# Altium PCB powerboard1.PcbDoc (continued)
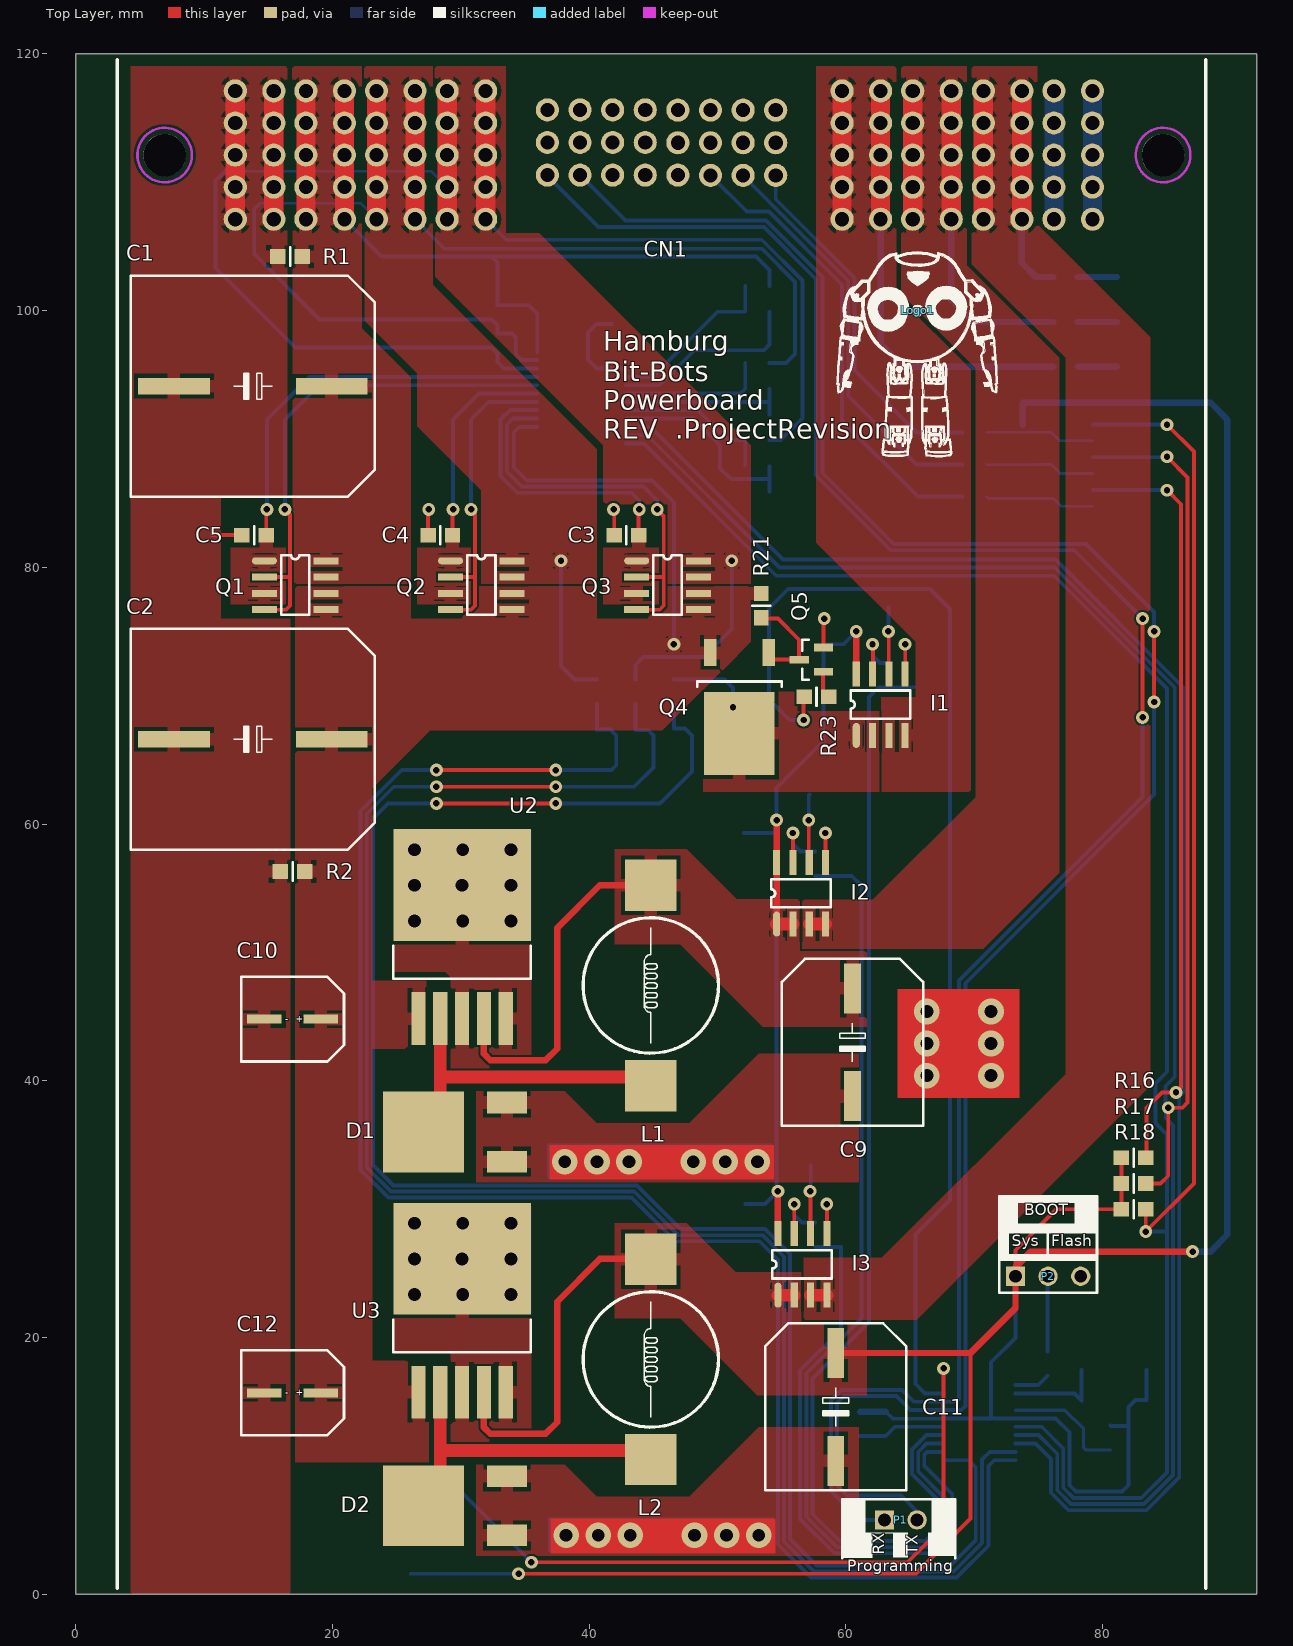
[diagram p0: Top Layer view]
## Footprints (in the part's own frame and the unit in brackets; to place one, negate y for a bottom-side part, rotate by r counter-clockwise, add the part's x,y. Pads: shape width x height; smd on the part's side, far side on the other; paste and mask are expansions set on the pad) (continued)
PISR [mm]
  rect 4x4 smd: 1(-7.8,0) 2(7.8,0)
  silkscreen extent -5.27,-5.28 5.27,5.27
R2012 [mm]
  rect 1.2x1.14 smd: 1(-0.95,0) 2(0.95,0)
  silkscreen extent 0,-0.7 0,0.7, body extent -1,-0.62 1,0.63, height 0.78
SOIC8 [mm]
  oval 1.95x0.55 smd: 1(0,0)
  rect 1.95x0.55 smd: 2(0,-1.27) 3(0,-2.54) 4(0,-3.81) 5(4.8,-3.81) 6(4.8,-2.54) 7(4.8,-1.27) 8(4.8,0)
  silkscreen extent 1.3,-4.2 3.5,0.44, body extent -0.6,-4.35 5.4,0.55, height 1.75
SOIC14 [mm] "SOIC, 14-Leads, Body 8,65x3,90mm, Pitch 1,27mm, IPC Medium Density"
  oval 1.45x0.6 smd: 1(-2.725,3.81)
  rect 1.45x0.6 smd: 2(-2.725,2.54) 3(-2.725,1.27) 4(-2.725,0) 5(-2.725,-1.27) 6(-2.725,-2.54) 7(-2.725,-3.81) 8(2.725,-3.81) 9(2.725,-2.54) 10(2.725,-1.27) 11(2.725,0) 12(2.725,1.27) 13(2.725,2.54) 14(2.725,3.81)
  silkscreen extent -1.6,-4.4 1.6,4.4, body extent -2.9,-4.37 3.1,4.38, height 1.75
SOT-23-TT3_N [mm] "SOT23, 3-Leads, Body 2.9x1.3mm, Pitch 0.95mm, Lead Span 2.4mm, IPC Medium Density"
  rect 1.5x0.6 smd: 1(-0.95,0.95) 2(-0.95,-0.95) 3(0.95,0)
  silkscreen extent 0.2,-1.55 0.7,1.55, body extent -1.21,-1.45 1.21,1.45, height 0.98
SSOP24 [mm]
  oval 2.1x0.45 smd: 1(-3.45,3.575) 2(-3.45,2.925) 3(-3.45,2.275) 4(-3.45,1.625) 5(-3.45,0.975) 6(-3.45,0.325) 7(-3.45,-0.325) 8(-3.45,-0.975) 9(-3.45,-1.625) 10(-3.45,-2.275) 11(-3.45,-2.925) 12(-3.45,-3.575) 13(3.45,-3.575) 14(3.45,-2.925) 15(3.45,-2.275) 16(3.45,-1.625) 17(3.45,-0.975) 18(3.45,-0.325) 19(3.45,0.325) 20(3.45,0.975) 21(3.45,1.625) 22(3.45,2.275) 23(3.45,2.925) 24(3.45,3.575)
  silkscreen extent -2,-4.15 2,4.15, body extent -3.57,-4.12 3.97,4.12, height 1.85
STM-TSSOP20_L [mm] "SOP, 20-Leads, Body 6.6x4.5mm, Pitch 0.65mm, IPC High Density"
  oval 1.5x0.35 smd: 1(-2.8,2.925) 2(-2.8,2.275) 3(-2.8,1.625) 4(-2.8,0.975) 5(-2.8,0.325) 6(-2.8,-0.325) 7(-2.8,-0.975) 8(-2.8,-1.625) 9(-2.8,-2.275) 10(-2.8,-2.925) 11(2.8,-2.925) 12(2.8,-2.275) 13(2.8,-1.625) 14(2.8,-0.975) 15(2.8,-0.325) 16(2.8,0.325) 17(2.8,0.975) 18(2.8,1.625) 19(2.8,2.275) 20(2.8,2.925)
  silkscreen extent -2.93,-3.3 1.65,3.77, body extent -2.25,-3.3 2.25,3.3, height 1.2
TO263-5 [mm] "D2-PAK, 6-Leads, Body 9x10.2mm, Pitch 1.7mm, Lead Span 15.2mm, IPC Low Density"
  rect 4.1x1.1 smd: 1(-6.35,3.4) 2(-6.35,1.7) 3(-6.35,0) 4(-6.35,-1.7) 5(-6.35,-3.4)
  rect 8.7x10.7 smd: 6(4.05,0)
  silkscreen extent -3.25,-5.35 -0.7,5.35, body extent -7.89,-5 7.78,5, height 4.78
TO-252_N [mm] "D-PAK, 4-Leads, Body 6.1x6.5mm, Pitch 2.28mm, Lead Span 9.7mm, IPC Medium Density"
  rect 2.1x0.95 smd: 1(-4.25,2.28) 3(-4.25,-2.28)
  rect 6.5x5.5 smd: 4(2.05,0)
  silkscreen extent -2,-3.3 -1.6,3.3, body extent -5.01,-3.27 4.93,3.27, height 2.34

## Part data
C1 C2 C9 C10 C11 C12: library part "Cap Pol2", "Polarized Capacitor (Axial)"
C3 C4 C5 C6 C7 C8 C13 C14 C15 C16 C17 C18 C19 C20 C21 C23 C24: library part Cap, "Capacitor"
C22: library part "Cap Pol1", "Polarized Capacitor (Radial)"
CN1: library part ET60T-04-24-04-L-RT1-GP, "Samtec Connector"
D1 D2: library part "Diode 10TQ035", "Schottky Rectifier"
D3 D4 D5 D6: library part LED0, "Green"
I1 I2 I3: "Fully Integrated, Hall Effect-Based Linear Current Sensor IC with 2.1 kVRMS Isolation and a Low-Resistance Current Conductor"
IC1: library part CMP-0304-00039-2, "ARM Cortex-M0 32-bit MCU, 16 KB Flash, 4 KB Internal RAM, 15 I/Os, 20-pin TSSOP, -40 to 85 degC, Tube"
L1 L2: library part Inductor, "Inductor"
Logo1: library part Logo
P1: library part "Header 2", "Header, 2-Pin"
P2: library part "Header 3", "Header, 3-Pin"
Q1 Q2 Q3: library part "Dual P-MOSFET", "Dual-Channel P-Mosfet with default Pins"
Q4: library part MOSFET-P, "P-Channel MOSFET"
Q5: library part NPN, "NPN Bipolar Transistor"
R1 R2 R3 R4 R5 R6 R7 R8 R9 R10 R11 R12 R13 R14 R15 R16 R17 R18 R19 R20 R21 R22 R23 R24 R25 R26 R27 R28 R29 R30 R31 R32 R33 R34 R35 R36 R37 R38: library part Res2, "Resistor"
U1: library part CMP-0479-00126-1, "Prioritized PowerPath Controller, 2.5 to 36 V Vin, 24-pin SOP (GN-24), 0 to 70 degC, Pb-Free"
U2: library part CMP-0069-00114-2, "SIMPLE SWITCHER® 3A Step-Down Voltage Regulator, 5-pin TO-263, Pb-Free"
U3: library part CMP-0069-00113-2, "SIMPLE SWITCHER® 3A Step-Down Voltage Regulator, 5-pin TO-263"
U4: "Hex Inverter"
Y1: library part Oszillator, "Oscillator with Enable Input"

## Via types
v1: diameter 1, hole 0.5, Top Layer to Bottom Layer, 46 vias
v2: diameter 2, hole 1, Top Layer to Bottom Layer, 36 vias

## Nets (pads, with @x,y where several pads share a name; then routed paths per layer and width w, separated by ;. In a path a pad name is that pad's centre, name@x,y a point inside that pad or via, vN(x,y) a via of type N, cw(c..) or ccw(c..) an arc to the next point about the centre after c; other vN are vias at no path point)
+3V3: C11.1 C20.1 C22.1 C23.2 C24.2 D6.1 I3.1 I3.2 IC1.5 IC1.16 L2.2 P2.1 R16.1 R17.1 R18.1 R33.1 U3.4 U4.14 Y1.4 | length 269
  Top Layer w0.3: v1(34.5,1.6) 65.4,1.6 69.7,5.9 69.7,18.8 ; P2.1@73.2,25.5 73.2,26.8 76.4,30 R18.1 R16.1
  Top Layer w0.5: U3.4 31.8,13 32.3,12.5 36.6,12.5 37.5,13.4 37.5,22.8 40.825,26.125 L2.2@44.8,26.125 ; C11.1 69.7,18.8 73.2,22.3 P2.1 73.2,25.5 74.4,26.7 v1(87,26.7)
  Top Layer w1: I3.1 I3.2
  Bottom Layer w0.3: D6.1 v1(34.5,1.6) ; C23.2 63.65,13.675 67.575,13.675 IC1.16 71.3,13.7 ; P2.1 73.2,19.975 71.3,18.075 71.3,13.7 ; R33.1 80.65,13.1 82,13.1 ; Y1.4 C20.1 82.55,15.15 82,14.6 82,13.1 ; 71.3,13.7 IC1.5 76.325,13.7 77.4,12.625 77.4,8.5 77.9,8 81.5,8 82,8.5 82,13.1
  Bottom Layer w0.5: C22.1 C23.2 ; C24.2 C24.2@73.775,92.8 ; U4.14 C24.2@73.775,92.8 ; v1@87.1,26.8 v1(87,26.7) 88.4,26.7 89.7,28 89.7,91.5 88.4,92.8 C24.2@73.775,92.8
+3V3_OUT: CN1.P02 I3.3 I3.4 R30.2 | length 27
  Top Layer w1: I3.3 I3.4
  Top Layer w1.5: CN1.P02@70.695,107.1 70.695,109.6 70.695,112.1 70.695,114.6 CN1.P02@70.695,116.795 ; CN1.P02@73.695,107.405 73.695,109.6 73.695,112.1 73.695,114.6 CN1.P02@73.695,117.1
  Bottom Layer w0.5: CN1.P02@73.695,107.1 73.695,103.705 74.8,102.6 R30.2
+5V: C9.1 C14.2 C16.2 C18.2 I1.8 I2.1 I2.2 I2.8 I3.8 L1.2 U2.4 | length 96.8
  Top Layer w0.5: U2.4 31.8,42.1 32.3,41.6 36.6,41.6 37.5,42.5 37.5,51.9 40.825,55.225 L1.2 ; I2.1 I2.8 v1(54.6,60.3) ; I3.8 v1(54.7,31.4) ; I1.8 v1(60.8,75)
  Top Layer w1: I2.1 I2.2
  Bottom Layer w0.3: C16.2 54.6,59.3 ; C18.2 53.7,30.4 v1@54.6,31.3 ; v1(54.6,60.3) 54.6,59.3 ; v1(54.7,31.4) v1@54.6,31.3 ; v1(60.8,75) 59.8,74 C14.2 58.25,66.45 54.6,62.8 54.6,59.3 ; v1@54.6,31.3 54.6,59.3
+5V_OUT: CN1.P03 I2.3 I2.4 R27.2 | length 35.6
  Top Layer w1: I2.3 I2.4
  Top Layer w1.5: CN1.P03@65.195,107.405 65.195,109.6 65.195,112.1 65.195,114.6 CN1.P03@65.195,117.1 ; CN1.P03@68.195,107.1 68.195,109.6 68.195,112.1 68.195,114.6 CN1.P03@68.195,116.795
  Bottom Layer w0.5: CN1.P03@68.195,107.1 68.195,100.805 69.9,99.1 R27.2
+12V: I1.1 I1.2 Q4.4 R20.2 | length 6.4
  Bottom Layer w0.3: R20.2 50.55,71.25 51.2,70.6 v1(51.2,69.1)
+12V_OUT: CN1.P04 I1.3 I1.4 R24.2 | length 43.6
  Top Layer w1.5: CN1.P04@59.695,107.405 59.695,109.6 59.695,112.1 59.695,114.6 CN1.P04@59.695,117.1 ; CN1.P04@62.695,107.1 62.695,109.6 62.695,112.1 62.695,114.6 CN1.P04@62.695,117.1
  Bottom Layer w0.5: CN1.P04@62.695,107.1 62.695,97.405 64.5,95.6 R24.2
+12V_SENSE: IC1.11 R20.1 R22.2 | length 141.8
  Top Layer w0.3: v1(28.1,61.6) v1(37.4,61.6)
  Bottom Layer w0.3: v1(28.1,61.6) 24.325,61.6 23.15,60.425 23.15,33.45 24.75,31.85 43.721,31.85 47.121,28.45 53.7,28.45 55.65,26.5 55.65,4.3 57.7,2.25 68.15,2.25 70.1,4.2 70.1,9.9 69.55,10.45 IC1.11 ; v1(37.4,61.6) 45.5,61.6 48,64.1 48,66.9 47.45,67.45 46.6,67.45 R20.1
\EN_12: IC1.19 R23.2 | length 91.5
  Top Layer w0.3: v1(56.7,68.1) R23.2@56.7,69.85
  Bottom Layer w0.3: v1(56.7,68.1) 55.6,68.1 54,69.7 54,76.8 55.5,78.3 66.533,78.3 68.1,76.733 68.1,30.725 65.4,28.025 65.4,16.4 66.15,15.65 IC1.19
\RST: C21.2 IC1.4 R33.2 | length 9.5
  Bottom Layer w0.254: IC1.4 77.05,14.35 78.5,12.9 C21.2 78.675,11.25 R33.2
\VALID1: IC1.8 R16.2 U1.10 U4.5 | length 191.6
  Top Layer w0.3: R16.2 83.4,34.05 83.4,37.9 84.6,39.1 v1(85.7,39.1) 86.1,39.5 86.1,84.9 v1(85,86)
  Bottom Layer w0.3: U1.10 44.771,90.925 55.096,80.6 76.303,80.6 86.27,70.633 86.27,39.1 ; IC1.8 74.754,11.75 75.975,10.529 75.975,7.91 77.335,6.55 83.394,6.55 85.95,9.106 85.95,38.78 86.27,39.1 ; U4.5 79.255,86 v1(85,86) ; v1(85.7,39.1) 86.27,39.1
\VALID2: IC1.7 R17.2 U1.11 U4.3 | length 195.8
  Top Layer w0.3: R17.2 84.5,32 85.1,32.6 v1(85.1,37.9) 86.2,37.9 86.6,38.3 86.6,87 v1(85,88.6)
  Bottom Layer w0.3: U1.11 44.523,90.275 54.833,79.965 76.26,79.965 85.6,70.625 85.6,40.3 84.875,39.575 84.875,38.125 v1(85.1,37.9) 84.9,37.7 84.9,37.1 85.475,36.525 85.475,9.303 83.197,7.025 77.531,7.025 76.45,8.106 76.45,10.952 75.002,12.4 IC1.7 ; U4.3 84.97,88.57 v1(85,88.6)
\VALID3: IC1.6 R18.2 U1.12 U4.1 | length 203
  Top Layer w0.3: R18.2 v1(83.35,28.25) 87.1,32 87.1,89 v1(85,91.1)
  Bottom Layer w0.3: U1.12 44.275,89.625 54.57,79.33 76.223,79.33 85,70.553 85,40.7 84.1,39.8 84.1,36.7 85,35.8 85,28.3 ; IC1.6 75.25,13.05 76.925,11.375 76.925,8.303 77.728,7.5 83,7.5 85,9.5 85,28.3 ; U4.1 84.99,91.11 v1(85,91.1) ; v1(83.35,28.25) 84.95,28.25 85,28.3
BOOT0: IC1.1 R34.1 | length 2.8
  Bottom Layer w0.3: IC1.1 74.975,16.3 R34.1
GND: C1.2 C2.2 C3.1 C4.1 C5.1 C6.1 C7.1 C8.1 C9.2 C10.2 C11.2 C12.2 C13.1 C14.1 C15.1 C16.1 C17.1 C18.1 C19.1 C20.2 C21.1 C22.2 C23.1 C24.1 CN1.P01 CN1.P08 D1.1 D1.3 D2.1 D2.3 D3.2 D4.2 D5.2 I1.5 I2.5 I3.5 IC1.15 P2.3 Q5.2 R1.1 R2.1 R4.1 R6.1 R9.1 R12.1 R15.1 R19.2 R22.1 R26.2 R29.2 R32.2 U1.13 U2.3 U2.5 U2.6 U3.3 U3.5 U3.6 U4.7 U4.9 U4.11 U4.13 Y1.2 | length 119.9
  Top Layer w0.3: 10.6,82.5 C5.1 ; C4.1 27.45,84.45 v1(27.5,84.5) ; v1(41.9,84.5) 41.95,84.45 C3.1 ; Q5.2 58.25,75.95 v1(58.3,76) ; v1(58.4,59.3) 58.41,59.29 I2.5 ; v1(58.5,30.4) 58.51,30.39 I3.5 ; v1(64.6,74) 64.61,73.99 I1.5
  Top Layer w1: v2(66.3,42.9) v2(71.3,42.9) ; v2(66.3,42.9) v2(66.3,45.4) v2(71.3,45.4) v2(71.3,42.9) ; v2(66.3,42.9) v2(66.3,40.4) v2(71.3,40.4) v2(71.3,42.9)
  Top Layer w1.5: CN1.P08@12.435,107.1 12.435,109.6 12.435,112.1 12.435,114.6 CN1.P08@12.435,117.1 ; CN1.P08@15.435,107.1 15.435,109.6 15.435,112.1 15.435,114.6 CN1.P08@15.435,117.1 ; v2(38.1,33.7) v2(40.6,33.7) v2(43.1,33.7) ; v2(38.2,4.6) v2(40.7,4.6) v2(43.2,4.6) ; v2(48.1,33.7) v2(50.6,33.7) v2(53.1,33.7) ; v2(48.2,4.6) v2(50.7,4.6) v2(53.2,4.6)
  Bottom Layer w0.3: C22.2 C23.1 63.825,13.05 IC1.15
  Bottom Layer w1.5: CN1.P08@12.435,107.1 CN1.P08@12.435,109.6 ; CN1.P08@12.435,112.1 12.435,114.6 CN1.P08@12.435,117.1 ; CN1.P08@15.435,112.1 15.435,114.6 CN1.P08@15.435,117.1 ; CN1.P01@76.195,107.1 76.195,109.6 76.195,112.1 76.195,114.6 CN1.P01@76.195,117.1 ; CN1.P01@79.195,107.1 79.195,109.6 79.195,112.1 79.195,114.6 CN1.P01@79.195,117.1
  other v2: 26.4,23.35 30.15,23.35 33.9,23.35 26.4,26.125 30.1,26.125 33.9,26.125 26.4,28.9 30.15,28.9 33.9,28.9 26.4,52.45 30.15,52.45 33.9,52.45 26.4,55.225 30.1,55.225 33.9,55.225 26.4,58 30.15,58 33.9,58
I2C.SCL: CN1.S23 IC1.17 P1.2 | length 160.6
  Top Layer w0.3: v1(84,69.5) v1(84,75)
  Bottom Layer w0.3: CN1.S23 42.825,107 53.772,107 58.178,102.594 58.178,87.322 63.7,81.8 78.7,81.8 84,76.5 v1(84,75) ; P1.2 65.54,6.46 64.3,7.7 60.1,7.7 59.3,8.5 59.3,14.9 59.85,15.45 63.931,15.45 65.031,14.35 IC1.17 68.977,14.35 69.3,14.673 69.3,47.6 84,62.3 v1(84,69.5)
I2C.SDA: CN1.S24 IC1.18 P1.1 | length 159.3
  Top Layer w0.3: v1(83.1,68.3) v1(83.1,76)
  Bottom Layer w0.3: CN1.S24 36.745,110.478 40.723,106.5 53.6,106.5 57.642,102.458 57.642,87.186 63.503,81.325 77.775,81.325 v1(83.1,76) ; P1.1 61.081,5.8 58.825,8.056 58.825,15.097 59.653,15.925 64.375,15.925 65.3,15 IC1.18 68.6,15 68.8,15.2 68.8,47.8 83.1,62.1 v1(83.1,68.3)
I_+3V3: IC1.12 R31.2 R32.1 | length 46.6
  Bottom Layer w0.3: R31.2 R32.1 59.6,20.6 56.425,17.425 56.425,5.867 59.092,3.2 66.573,3.2 68.275,4.902 68.275,7.825 66.1,10 66.1,10.9 66.3,11.1 IC1.12
I_+5V: IC1.13 R28.2 R29.1 | length 76.5
  Bottom Layer w0.3: R28.2 60.45,55.95 61.2,55.2 61.2,21.5 56.925,17.225 56.925,6.089 56.9,6.064 59.289,3.675 66.376,3.675 67.8,5.099 67.8,7.4 65.625,9.575 65.625,11.097 66.278,11.75 IC1.13
I_+12V: IC1.14 R25.2 R26.1 | length 90.4
  Bottom Layer w0.3: R26.1 62.55,70.65 61.8,69.9 61.8,21.2 57.4,16.8 57.4,6.235 59.485,4.15 66.179,4.15 67.325,5.296 67.325,7.203 65.15,9.378 65.15,11.294 66.257,12.4 IC1.14
LED_OUT1: CN1.S19 R36.2 | length 36.2
  Bottom Layer w0.3: CN1.S19 52.265,107.7 54,107.7 59.7,102 59.7,91.4 65.6,85.5 R36.2
LED_OUT2: CN1.S18 R37.2 | length 31.7
  Bottom Layer w0.3: CN1.S18 51.985,110.487 60.175,102.297 60.175,93.325 65.5,88 R37.2
LED_OUT3: CN1.S17 R38.2 | length 28.1
  Bottom Layer w0.3: CN1.S17 54.525,108.654 60.65,102.529 60.65,95.35 65.5,90.5 R38.2
NetC3_2: C3.2 Q3.1 Q3.3 U1.17 | length 21.8
  Top Layer w0.3: C3.2 43.85,84.45 v1(43.9,84.5)
  Bottom Layer w0.3: U1.17@35.928,92.248 33.848,92.248 33.1,91.5 33.1,87.1 34.4,85.8 43.3,85.8 43.9,85.2 v1(43.9,84.5)
NetC4_2: C4.2 Q2.1 Q2.3 U1.19 | length 16.4
  Top Layer w0.3: C4.2 29.35,84.45 v1(29.4,84.5)
  Bottom Layer w0.3: v1(29.4,84.5) 29.4,91.5 31.425,93.525 U1.19
NetC5_2: C5.2 Q1.1 Q1.3 U1.21 | length 31.3
  Top Layer w0.3: C5.2 14.85,84.45 v1(14.9,84.5)
  Bottom Layer w0.3: v1@14.9,84.6 14.9,91.5 18.225,94.825 U1.21
NetC13_2: C13.2 I1.6 | length 5.2
  Top Layer w0.3: v1(63.3,75) 63.333,74.967 63.333,71.707 I1.6
  Bottom Layer w0.3: v1(63.3,75) C13.2@63.3,76.85
NetC15_2: C15.2 I2.6 | length 5.3
  Top Layer w0.3: v1(57.1,60.3) 57.1,57.04 I2.6
  Bottom Layer w0.3: v1(57.1,60.3) 57.1,62.25 C15.2
NetC17_2: C17.2 I3.6 | length 5.3
  Top Layer w0.3: v1(57.2,31.4) 57.24,31.36 I3.6
  Bottom Layer w0.3: v1(57.2,31.4) 57.25,31.45 C17.2
NetC19_2: C19.2 IC1.2 Y1.3 | length 7.8
  Bottom Layer w0.3: IC1.2 77.8,15.65 C19.2 78.35,17.47 Y1.3
NetD1_2: D1.2 L1.1 U2.2 | length 27.1
  Top Layer w0.3: D1.2@28.4,33.8 D1.2@28.7,33.5 ; 28.4,40.5 28.6,40.3
  Top Layer w1: D1.2@28.4,33.8 28.4,40.5 U2.2 ; 28.6,40.3 L1.1@43.9,40.3
NetD2_2: D2.2 L2.1 U3.2 | length 26.5
  Top Layer w1: D2.2@28.4,4.7 28.4,11.2 ; U3.2 28.4,11.2 ; L2.1@43.9,11.2 28.4,11.2
NetD3_1: D3.1 R24.1 | length 3.1
  Bottom Layer w0.5: R24.1 D3.1
NetD4_1: D4.1 R27.1 | length 3.1
  Bottom Layer w0.5: R27.1 D4.1
NetD5_1: D5.1 R30.1 | length 3.1
  Bottom Layer w0.5: R30.1 D5.1
NetD6_2: D6.2 R35.1 | length 2.4
  Bottom Layer w0.3: D6.2 R35.1
NetI1_7: I1.7 R25.1 | length 4.7
  Top Layer w0.3: I1.7@62.1,71.73 v1@62.1,74
  Bottom Layer w0.3: v1@62.1,74 62.1,73.1 62.65,72.55 R25.1
  other v1: 62.067,74
NetI2_7: I2.7 R28.1 | length 5.1
  Top Layer w0.3: v1(55.867,59.3) 55.87,59.297 I2.7
  Bottom Layer w0.3: v1(55.867,59.3) 55.867,58.433 56.45,57.85 R28.1
NetI3_7: I3.7 R31.1 | length 5
  Top Layer w0.3: v1(55.967,30.4) 55.97,30.397 I3.7
  Bottom Layer w0.3: v1(55.967,30.4) 55.967,29.533 56.55,28.95 R31.1
NetP2_2: P2.2 R34.2 | length 5.8
  Bottom Layer w0.3: R34.2 P2.2@75.7,24.735
NetQ1_2: Q1.2 Q1.4 U1.20 | length 39.5
  Top Layer w0.3: Q1.4 16.39,76.69 16.7,77 16.7,84.1 v1(16.3,84.5) ; Q1.2 16.67,79.23
  Bottom Layer w0.3: v1(16.3,84.5) 16.3,91.5 18.975,94.175 U1.20
NetQ2_2: Q2.2 Q2.4 U1.18 | length 24.2
  Top Layer w0.3: Q2.4 30.79,76.69 31.1,77 31.1,84.2 v1(30.8,84.5) ; Q2.2 31.07,79.23
  Bottom Layer w0.3: v1(30.8,84.5) 30.8,91.5 32.183,92.883 32.19,92.875 U1.18
NetQ3_2: Q3.2 Q3.4 U1.16 | length 31.6
  Top Layer w0.3: Q3.4 45.49,76.69 45.8,77 45.8,84 v1(45.3,84.5) ; Q3.2 45.77,79.23
  Bottom Layer w0.3: U1.16 34.075,91.575 33.575,91.075 33.575,87.45 34.75,86.275 44.225,86.275 45.3,85.2 v1(45.3,84.5)
NetQ4_1: Q4.1 Q5.3 R21.1 | length 8.1
  Top Layer w0.3: R21.1@53.45,76.2 53.65,76 54.7,76 56.35,74.35 Q5.3 54.1,72.8 53.98,72.92 Q4.1
NetQ5_1: Q5.1 R23.1 | length 2.2
  Top Layer w0.3: R23.1@58.2,69.65 Q5.1@58.2,71.8
NetR7_1: R7.1 R8.1 U1.4 | length 13.4
  Bottom Layer w0.3: U1.4 44.925,94.825 50,99.9 R8.1 R7.1
NetR8_2: R8.2 R9.2 U1.5 | length 15.1
  Bottom Layer w0.3: U1.5 45.475,94.175 48.2,96.9 53.6,96.9 54.05,97.35 R9.2 R8.2
NetR10_1: R10.1 R11.1 U1.6 | length 11.5
  Bottom Layer w0.3: U1.6 51.775,93.525 R11.1 R10.1
NetR11_2: R11.2 R12.2 U1.7 | length 13.2
  Bottom Layer w0.3: U1.7 54.043,92.875 54.05,92.883 ; R12.2 54.05,92.883 ; R11.2 54.05,92.883
NetR13_1: R13.1 R14.1 U1.8 | length 12.3
  Bottom Layer w0.3: U1.8 48.475,92.225 50.8,89.9 R13.1 R14.1
NetR14_2: R14.2 R15.2 U1.9 | length 16.2
  Bottom Layer w0.3: U1.9 48.125,91.575 50.2,89.5 50.2,87.7 51.035,86.865 54.05,86.865 ; R15.2 54.05,86.865 ; R14.2@54.05,87.865 54.05,86.865
NetR19_1: R19.1 U1.3 | length 7.5
  Bottom Layer w0.3: R19.1 40.55,98.95 39.9,98.3 39.9,96.175 40.6,95.475 U1.3
NetR36_1: R36.1 U4.6 | length 8.6
  Bottom Layer w0.2: R36.1 71.1,85.35 76.15,85.35 76.74,84.76 U4.6
NetR37_1: R37.1 U4.4 | length 8.6
  Bottom Layer w0.2: R37.1 70.955,87.995 74.614,87.995 74.619,88 76,88 76.7,87.3 U4.4
NetR38_1: R38.1 U4.2 | length 8.5
  Bottom Layer w0.2: R38.1 76,90.5 76.66,89.84 U4.2
STATUS: IC1.20 R35.2 | length 58.9
  Top Layer w0.3: v1(35.5,2.5) 64.8,2.5 67.6,5.3 v1(67.6,17.6)
  Bottom Layer w0.3: R35.2 29.15,8.85 v1(35.5,2.5) ; IC1.20 v1(67.6,17.6)
V_BAK: C8.2 CN1.P05 Q3.7 Q3.8 R5.2 R13.2 U1.22 | length 129.8
  Top Layer w1.5: CN1.P05@28.935,107.405 28.935,109.6 28.935,112.1 28.935,114.6 CN1.P05@28.935,117.1 ; CN1.P05@31.935,107.1 31.935,109.6 31.935,112.1 31.935,114.6 CN1.P05@31.935,117.1
  Bottom Layer w0.2: 11.698,110.9 11.748,110.85 27.685,110.85 CN1.P05@28.935,109.6
  Bottom Layer w0.3: 11.698,110.9 10.894,110.096 10.894,103.306 17.1,97.1 32.4,97.1 32.85,96.65 32.85,96 33.375,95.475 U1.22 ; CN1.P05@31.935,107.1 33.535,105.5 53.436,105.5 56.6,102.336 56.6,91.6 54.9,89.9 R13.2 ; R5.2 43.6,72.4 44.2,73 48.9,73 51.1,75.2 v1(51.1,80.5)
V_BAK_SENSE: IC1.9 R5.1 R6.2 | length 141.7
  Top Layer w0.3: v1(28.1,62.9) v1(37.4,62.9)
  Bottom Layer w0.3: v1(28.1,62.9) 24.772,62.9 22.675,60.803 22.675,33.253 24.553,31.375 43.503,31.375 46.903,27.975 53.497,27.975 55.175,26.297 55.175,4.103 57.503,1.775 68.347,1.775 68.372,1.8 68.407,1.8 70.6,3.993 70.6,10.5 71.2,11.1 IC1.9 ; v1(37.4,62.9) 43.5,62.9 45,64.4 45,66.9 44.6,67.3 43.65,67.3 R6.2 R5.1
V_BAT: C7.2 CN1.P06 Q2.7 Q2.8 R3.2 R10.2 U1.23 | length 111
  Top Layer w1.5: CN1.P06@23.435,107.1 23.435,109.6 23.435,112.1 23.435,114.6 CN1.P06@23.435,117.1 ; CN1.P06@26.435,107.1 26.435,109.6 26.435,112.1 26.435,114.6 CN1.P06@26.435,116.795
  Bottom Layer w0.2: 14.248,108.225 14.373,108.35 22.185,108.35 CN1.P06@23.435,107.1
  Bottom Layer w0.3: 14.248,108.225 13.912,107.888 13.912,104.388 19,99.3 32.4,99.3 32.85,98.85 C7.2 34,98.2 34.275,97.925 34.275,96.575 34.725,96.125 U1.23 ; CN1.P06@26.435,107.1 28.735,104.8 53.45,104.8 56.025,102.225 56.025,96.6 55.325,95.9 R10.2 ; v1(37.8,80.5) 37.8,72.3 38.85,71.25 R3.2
V_BAT_SENSE: IC1.10 R3.1 R4.2 | length 139.9
  Top Layer w0.3: v1(28.1,64.2) v1(37.4,64.2)
  Bottom Layer w0.3: v1(28.1,64.2) 25.4,64.2 22.2,61 22.2,33.056 24.356,30.9 43.306,30.9 46.706,27.5 53.265,27.5 54.7,26.065 54.7,3.886 57.286,1.3 68.614,1.3 71.1,3.786 71.1,10 71.55,10.45 IC1.10 ; v1(37.4,64.2) 41.733,64.2 42.106,64.573 42.106,66.894 41.65,67.35 R4.2 R3.1
V_EXT: C1.1 C6.2 CN1.P07 Q1.7 Q1.8 R1.2 R7.2 U1.24 | length 66.3
  Top Layer w1.5: CN1.P07@17.935,107.1 17.935,109.6 17.935,112.1 17.935,114.6 CN1.P07@17.935,117.1 ; CN1.P07@20.935,107.1 20.935,109.6 20.935,112.1 20.935,114.6 CN1.P07@20.935,117.1
  Bottom Layer w0.3: CN1.P07@20.935,107.1 23.835,104.2 32.4,104.2 ; U1.24 35.95,99.75 35.3,100.4 C6.2 32.85,103.75 32.4,104.2 ; R7.2 54.05,103.15 53,104.2 32.4,104.2
V_INT: C2.1 C10.1 C12.1 Q1.5 Q1.6 Q2.5 Q2.6 Q3.5 Q3.6 Q4.3 R2.2 R21.2 U1.15 U2.1 U3.1 | length 29.4
  Bottom Layer w0.3: U1.15 34.55,90.925 34.125,90.5 34.125,87.775 35.15,86.75 44.886,86.75 46.6,85.036 v1(46.6,74)
pads on no net: CN1.DH0 CN1.DH1 CN1.S01 CN1.S02 CN1.S03 CN1.S04 CN1.S05 CN1.S06 CN1.S07 CN1.S08 CN1.S09 CN1.S10 CN1.S11 CN1.S12 CN1.S13 CN1.S14 CN1.S15 CN1.S16 CN1.S20 CN1.S21 CN1.S22 IC1.3 U1.1 U1.2 U1.14 U4.8 U4.10 U4.12 Y1.1

## Polygon pours and split planes (outlines as drawn)
GND on Bottom Layer "Bottom GND" (solid, remove dead copper, pour order 36): 0,120 0,0 92,0 92,120
V_BAK on Top Layer "TOP - V_BAK" (solid, pour order 30): 27.985,119 33.5,119 33.5,106 36.1,106 52.6,89.5 52.6,78.7 46.1,78.7 46.1,84.9 41.1,84.9 41.1,89.5 27.996,102.604
NetC3_2 on Top Layer "TOP - Q1 CONN" (solid, pour order 22): 45.4,77.1 41.1,77.1 41.1,81.5 45.4,81.5
NetC4_2 on Top Layer "TOP - Q1 CONN" (solid, pour order 20): 30.9,77.1 26.6,77.1 26.6,81.5 30.9,81.5
NetC5_2 on Top Layer "TOP - Q1 CONN" (solid, pour order 21): 16.4,77.1 12.1,77.1 12.1,81.5 16.4,81.5
V_INT on Top Layer "TOP - V_INT" (solid, pour order 34): 17.1,78.5 26.1,78.5 26.1,76 30.1,76 30.1,78.5 40.6,78.5 40.6,76 44.6,76 44.6,78.5 52.6,78.5 52.6,74.2 45.7,67.3 27.6,67.3 23.093,62.793 23.093,47.8 27.3,47.8 27.3,42.5 23.093,42.5 23.093,18.2 27.5,18.2 27.5,10.3 17.1,10.3
V_BAT on Top Layer "TOP - V_BAT" (solid, pour order 29): 22.491,119 27.8,119 27.8,102 40.6,89.2 40.6,78.7 31.6,78.7 31.6,85.975 26.6,90.975 26.6,95.1 22.504,99.196
V_EXT on Top Layer "TOP - V_EXT" (solid, pour order 28): 16.889,119 22.3,119 22.3,106 22.3,98.6 26.1,94.8 26.1,78.7 16.916,78.7
+12V on Top Layer "TOP - +12V SUPPLY" (solid, pour order 23): 48.9,62.5 62.6,62.5 62.6,68.8 56.2,68.8 56.2,70.3 48.9,70.3
+12V_OUT on Top Layer "TOP - +12V" (solid, pour order 31): 57.7,81.9 65.419,74.181 65.419,69.875 62.75,69.875 62.75,62.5 69.7,62.5 69.7,79.6 69.7,95.4 63.9,101.2 63.9,119 57.7,119
GND on Top Layer "TOP - +5GND" (solid, pour order 26): 24.7,59.6 24.7,48.5 28.8,48.5 29.2,48.075 29.2,40.8 35.5,40.8 35.5,59.6
+5V_OUT on Top Layer "TOP - +5V" (solid, pour order 32): 56.6,54.1 56.6,50.3 70.7,50.3 76.6,56.2 76.6,96.3 69.4,103.5 69.4,119 64.3,119 64.3,101.3 70.1,95.5 70.1,79.6 70.1,62.1 62.1,54.1
+3V3 on Top Layer "TOP - +3V3_SUPPLY" (solid, pour order 24): 56.5,21.2 61.6,21.2 61.6,15.5 53.1,15.5 47.1,21.5 41.975,21.5 41.975,28.9 47.6,28.9 51.4,25.1 56.5,25.1
GND on Top Layer "TOP - +3V3GND" (solid, pour order 27): 24.7,30.5 24.7,18.85 29.2,18.85 29.2,11.7 35.5,11.7 35.5,30.5
+3V3_OUT on Top Layer "TOP - +3V3" (solid, pour order 33): 56.7,26.227 56.7,21.4 65.5,21.4 83.7,39.6 83.7,97.9 74.9,106.7 74.9,119 69.8,119 69.8,103.6 77.1,96.3 77.1,40.527 62.8,26.227
GND on Top Layer "TOP - LeftGND" (solid, pour order 35): 16.5,119 16.5,85.5 11.3,85.5 11.3,76 16.7,76 16.7,0 4.3,0 4.3,119
+5V on Top Layer "TOP - +5_SUPPLY" (solid, pour order 25): 56.4,50.1 61.6,50.1 61.6,44.2 53.525,44.2 47.1,50.625 41.975,50.625 41.975,58.025 47.6,58.025 51.5,54.125 56.4,54.125
GND on Top Layer "Top Layer-3.3 GND" (solid, pour order 38): 31.2,10.1 31.2,3 61,3 61,13 53.2,13 49,8.8 47.8,7.6 44.7,7.6 40.6,7.6 38.1,10.1
GND on Top Layer "Top Layer - 5 GND" (solid, pour order 37): 31.2,39.2 31.2,32.1 61,32.1 61,42.1 53.2,42.1 49,37.9 47.8,36.7 44.7,36.7 40.6,36.7 38.1,39.2

## Keep-outs
Keep-Out Layer:
  circle w0.2: c6.935,112.1 r2.122
  circle w0.2: c84.695,112.1 r2.122

## Other copper
Top Layer:
  rectangle net GND: 36.9,32.3 54.4,35
  rectangle net GND: 37,3.2 54.5,5.9
  rectangle net GND: 64,38.65 73.5,47.15
Bottom Layer:
  rectangle net GND: 25,51 35.5,59.5
  rectangle net GND: 25,21.9 35.5,30.191
  rectangle net GND: 36.7,32.409 54.269,35.1
  rectangle net GND: 36.8,3.309 54.369,6
  rectangle net GND: 64.9,38.9 67.6,46.9
  rectangle net GND: 69.9,38.9 72.6,46.9

## Silkscreen, mask and mechanical layers (free items; w line width, h text height)
Top Overlay:
  rectangle: 66.664,4.665 68.495,7.4
  rectangle: 59.693,4.651 61.534,7.4
  rectangle: 66.4,2.978 68.52,4.824
  rectangle: 63.656,2.866 64.837,4.82
  rectangle: 59.692,2.829 62.078,4.824
  rectangle: 71.93,28.1 75.7,28.5
  rectangle: 71.93,26.045 79.5,26.5
  rectangle: 73.3,28.5 78.2,28.9
  rectangle: 71.93,28.5 73.4,31
  rectangle: 71.93,30.5 78.1,31
  rectangle: 77.8,28.5 79.55,31
  rectangle: 75.7,28.1 79.55,28.5
  rectangle: 62.078,4.742 63.8,4.824
  rectangle: 71.93,26.4 72.7,28.5
  lines w0.1: 75.7,26.3 75.715,26.3 75.715,28.5
  lines w0.2: 59.692,2.829 59.692,3.78 59.692,7.4 ; 59.693,7.4 66.9,7.4 68.5,7.4 ; 68.495,2.8 68.495,7.4 ; 71.93,26.045 75.7,26.045 ; 79.5,28.5 71.93,28.5 ; 71.93,28.5 71.93,31 72.4,31 79.55,31 79.55,26.045 ; 71.93,28.5 71.93,23.505 79.55,23.505 79.55,26.045 ; 71.93,28.5 75.7,28.5 75.7,26.045 ; 75.7,26.045 79.55,26.045
  lines w0.3: 3.245,0.5 3.245,119.5 ; 88.015,0.5 88.015,119.5
  text "Hamburg" at 41.096,96.856 h1.52
  text "Bit-Bots" at 41.1,94.5 h1.52
  text "Powerboard" at 41.096,92.25 h1.52
  text "REV" at 41.096,90 h1.52
  text ".ProjectRevision" at 46.7,90 h1.52
  text "BOOT" at 73.9,29.2 h1.52
  text "Flash" at 76,26.817 h1.52
  text "Sys" at 72.9,26.8 h1.52
  text "RX" at 63.3,3.1 h1.52 r90
  text "TX" at 65.9,3.1 h1.52 r90
  text "Programming" at 60.1,1.5 h1.52
Bottom Overlay:
  lines w0.3: 3.245,0.5 3.245,119.5 ; 88.015,0.5 88.015,119.5
  text "OK" at 66.3,101.9 h1.52
  text "3.3V" at 72.8,101.9 h1.52
  text "OK" at 66.3,98.4 h1.52
  text "5V" at 72.8,98.4 h1.52
  text "OK" at 66.3,94.9 h1.52
  text "12V" at 72.8,94.9 h1.52
Board Outline:
  the board outline again, w0.2
Drill Drawing:
  drawing of 225 lines, arcs and shapes, not listed
  text "Symbol" at 111.125,113.075 h1.93
  text "Hit Count" at 124.671,113.075 h1.93
  text "Finished Hole Size" at 143.375,113.075 h1.93
  text "Plated" at 179.486,113.075 h1.93
  text "Hole Type" at 193.032,113.075 h1.93
  text "2" at 124.671,109.044 h1.61
  text "3,3000mm" at 143.375,109.044 h1.61
  text "NPTH" at 179.486,109.044 h1.61
  text "Round" at 193.032,109.044 h1.61
  text "41" at 124.671,105.014 h1.61
  text "1,0000mm" at 143.375,105.014 h1.61
  text "PTH" at 179.486,105.014 h1.61
  text "Round" at 193.032,105.014 h1.61
  text "46" at 124.671,100.983 h1.61
  text "0,5000mm" at 143.375,100.983 h1.61
  text "PTH" at 179.486,100.983 h1.61
  text "Round" at 193.032,100.983 h1.61
  text "104" at 124.671,96.952 h1.61
  text "1,1000mm" at 143.375,96.952 h1.61
  text "PTH" at 179.486,96.952 h1.61
  text "Round" at 193.032,96.952 h1.61
  text "193 Total" at 124.671,92.922 h1.61
  text "Layer" at 110.084,88.531 h1.52
  text "Name" at 120.495,88.531 h1.52
  text "Material" at 144.111,88.531 h1.52
  text "Thickness" at 165.949,88.531 h1.52
  text "Constant" at 182.455,88.531 h1.52
  text "Board Layer Stack" at 196.929,88.531 h1.52
  text "1" at 110.084,85.483 h1.52
  text "Top Overlay" at 120.495,85.483 h1.52
  text "2" at 110.084,82.435 h1.52
  text "Top Solder" at 120.495,82.435 h1.52
  text "Solder Resist" at 144.111,82.435 h1.52
  text "0,010mm" at 165.949,82.435 h1.52
  text "3,5" at 182.455,82.435 h1.52
  text "3" at 110.084,79.387 h1.52
  text "Top Layer" at 120.495,79.387 h1.52
  text "Copper" at 144.111,79.387 h1.52
  text "0,070mm" at 165.949,79.387 h1.52
  text "4" at 110.084,76.339 h1.52
  text "Dielectric 1" at 120.495,76.339 h1.52
  text "FR-4" at 144.111,76.339 h1.52
  text "1,390mm" at 165.949,76.339 h1.52
  text "4,6" at 182.455,76.339 h1.52
  text "5" at 110.084,73.291 h1.52
  text "Bottom Layer" at 120.495,73.291 h1.52
  text "Copper" at 144.111,73.291 h1.52
  text "0,070mm" at 165.949,73.291 h1.52
  text "6" at 110.084,70.243 h1.52
  text "Solder Side" at 120.495,70.243 h1.52
  text "Solder Resist" at 144.111,70.243 h1.52
  text "0,010mm" at 165.949,70.243 h1.52
  text "3,5" at 182.455,70.243 h1.52
  text "7" at 110.084,67.195 h1.52
  text "Bottom Overlay" at 120.495,67.195 h1.52

## Dimensions
99.3,120 to 99.2,112.1 on Drill Drawing
0,142.25 to 3.25,142.25 on Drill Drawing
92,120 to 92,0 on Drill Drawing
0,120 to 92,120 on Drill Drawing

## Text inside footprints (layer, text, board x,y; h text height)
C10: Top Overlay "-" at 16.325,44.55 h0.5; Top Overlay "+" at 17.125,44.55 h0.5
C12: Top Overlay "+" at 17.125,15.45 h0.5; Top Overlay "-" at 16.325,15.45 h0.5